# Allegro board WNS_FDM_2V1-1221P2.brd (continued)
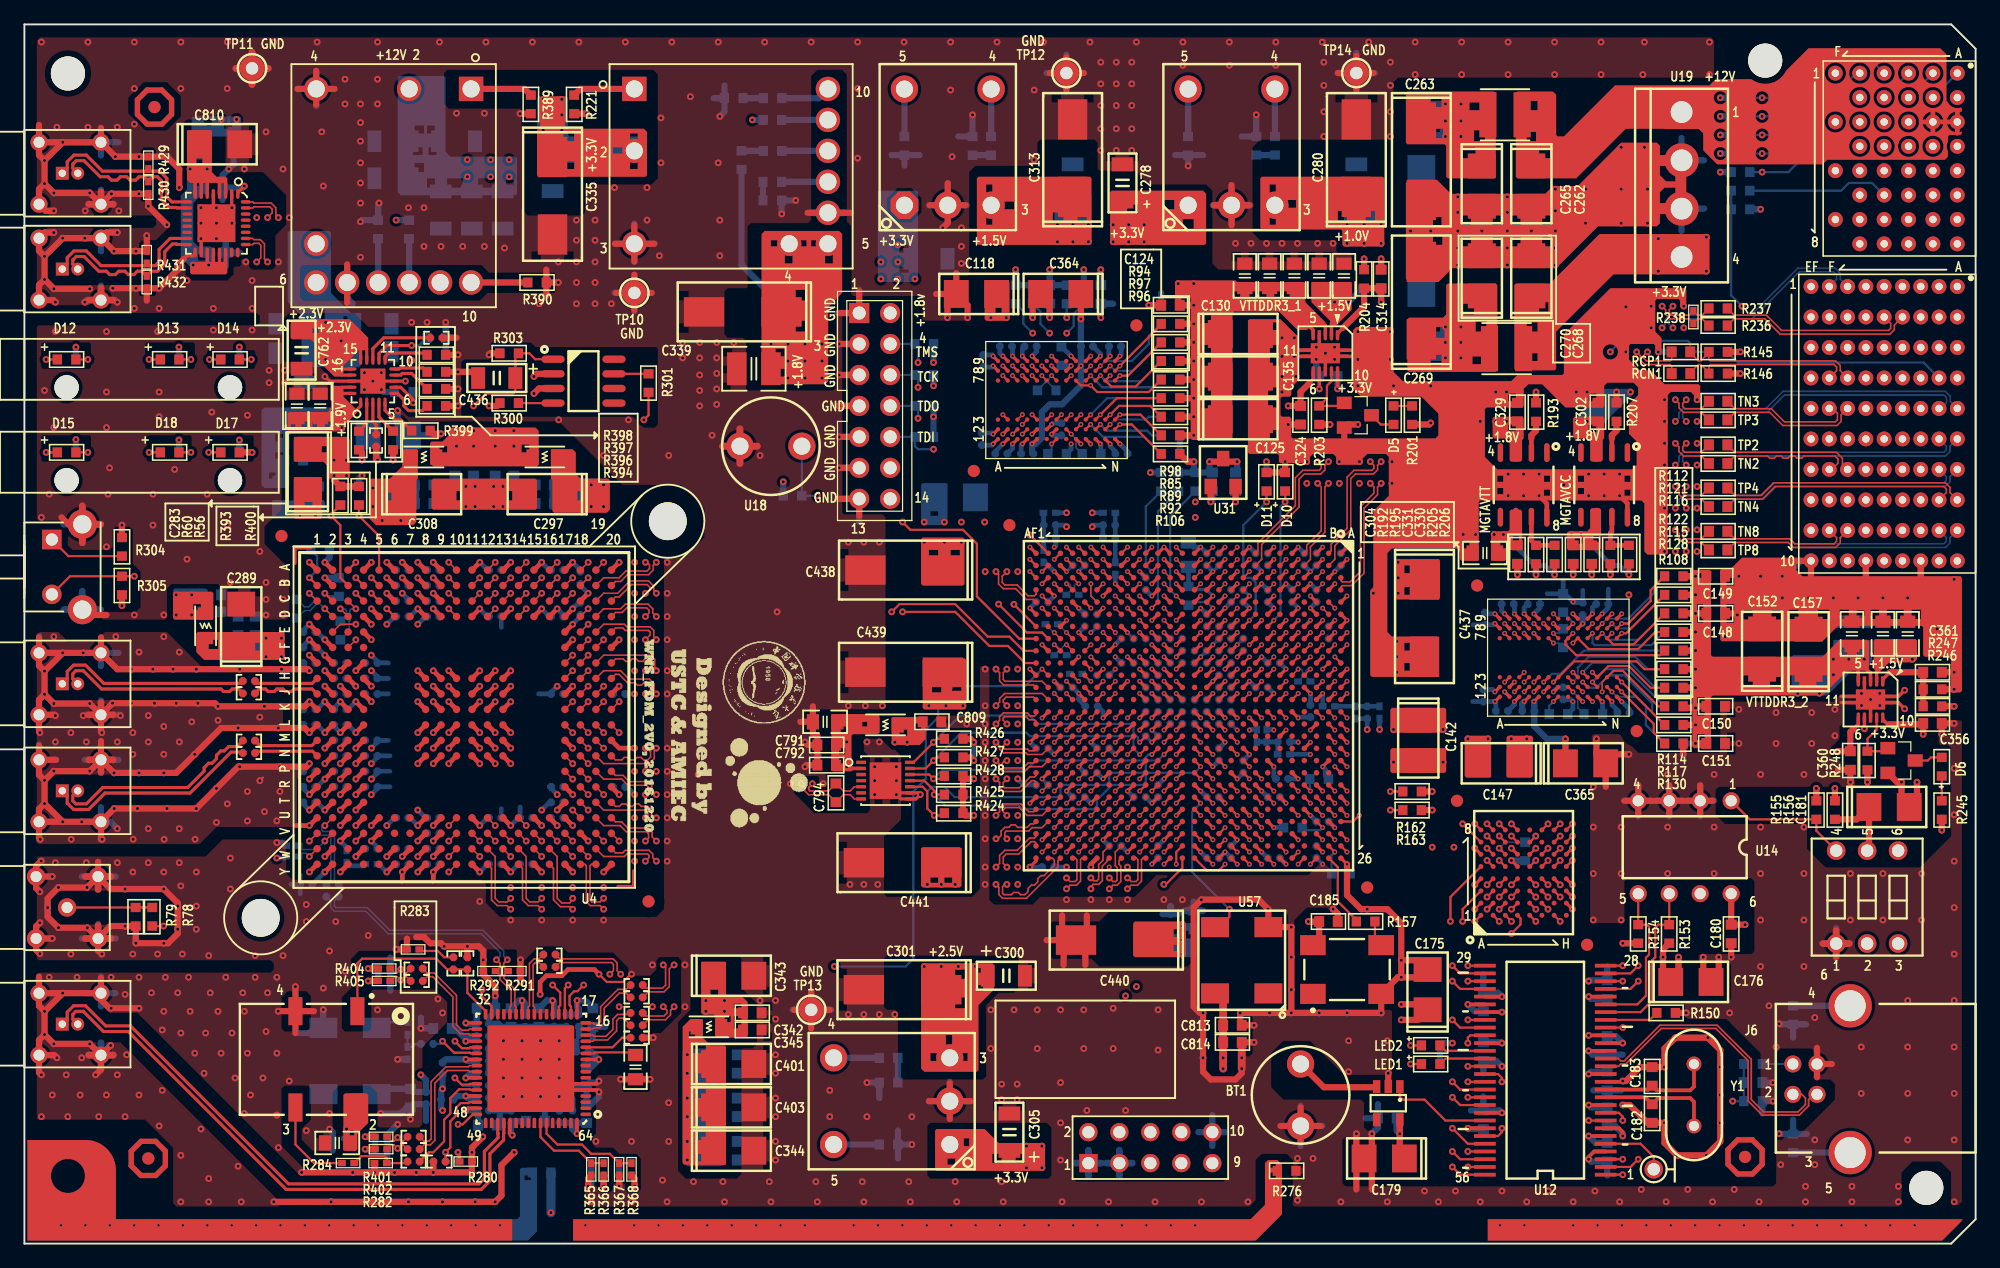
[diagram p0: board, top side]
## Footprints (pads in the part's own frame, mm; a bottom-side part is the same pattern mirrored in y, then rotated) (continued)
GND40
  round 2.032 hole 1.016: 1(0,0)
INDC2-200-M
  round 2.235 hole 1.397: 1(-2.54,0) 2(2.54,0)
JTAG_14A
  rect 1.651x1.651 hole 1.067: 1(-7.62,-1.27)
  round 1.651 hole 1.067: 2(-7.62,1.27) 3(-5.08,-1.27) 4(-5.08,1.27) 5(-2.54,-1.27) 6(-2.54,1.27) 7(0,-1.27) 8(0,1.27) 9(2.54,-1.27) 10(2.54,1.27) 11(5.08,-1.27) 12(5.08,1.27) 13(7.62,-1.27) 14(7.62,1.27)
MJ4-SR-1
  round 1.397 hole 0.914: 1(0,0) 2(-2.489,0) 3(-2.489,-1.981) 4(0,-1.981)
  round 3.556 hole 2.54: 5(-7.264,-4.699) 6(4.775,-4.699)
MT28GU
  round 0.4 smd: A1(-3.5,3.5) A2(-2.5,3.5) A3(-1.5,3.5) A4(-0.5,3.5) A5(0.5,3.5) A6(1.5,3.5) A7(2.5,3.5) A8(3.5,3.5) B1(-3.5,2.5) B2(-2.5,2.5) B3(-1.5,2.5) B4(-0.5,2.5) B5(0.5,2.5) B6(1.5,2.5) B7(2.5,2.5) B8(3.5,2.5) C1(-3.5,1.5) C2(-2.5,1.5) C3(-1.5,1.5) C4(-0.5,1.5) C5(0.5,1.5) C6(1.5,1.5) C7(2.5,1.5) C8(3.5,1.5) D1(-3.5,0.5) D2(-2.5,0.5) D3(-1.5,0.5) D4(-0.5,0.5) D5(0.5,0.5) D6(1.5,0.5) D7(2.5,0.5) D8(3.5,0.5) E1(-3.5,-0.5) E2(-2.5,-0.5) E3(-1.5,-0.5) E4(-0.5,-0.5) E5(0.5,-0.5) E6(1.5,-0.5) E7(2.5,-0.5) E8(3.5,-0.5) F1(-3.5,-1.5) F2(-2.5,-1.5) F3(-1.5,-1.5) F4(-0.5,-1.5) F5(0.5,-1.5) F6(1.5,-1.5) F7(2.5,-1.5) F8(3.5,-1.5) G1(-3.5,-2.5) G2(-2.5,-2.5) G3(-1.5,-2.5) G4(-0.5,-2.5) G5(0.5,-2.5) G6(1.5,-2.5) G7(2.5,-2.5) G8(3.5,-2.5) H1(-3.5,-3.5) H2(-2.5,-3.5) H3(-1.5,-3.5) H4(-0.5,-3.5) H5(0.5,-3.5) H6(1.5,-3.5) H7(2.5,-3.5) H8(3.5,-3.5)
OSC7050
  rect 1.65x2.1 smd: 1(-2,2.8) 2(-2,-2.8) 3(2,-2.8) 4(2,2.8)
OX_750_508
  rect 1.651x2.286 smd: 1(-2.718,-2.184) 2(2.718,-2.184) 3(2.718,2.184) 4(-2.718,2.184)
PXI_XP3
  round 1.219 hole 0.61: A1(11.25,-6) A2(8.75,-6) A3(6.25,-6) A4(3.75,-6) A5(1.25,-6) A6(-1.25,-6) A7(-3.75,-6) A8(-6.25,-6) A9(-8.75,-6) A10(-11.25,-6) AB1(11.25,-3) AB2(8.75,-3) AB3(6.25,-3) AB4(3.75,-3) AB5(1.25,-3) AB6(-1.25,-3) AB7(-3.75,-3) AB8(-6.25,-3) AB9(-8.75,-3) AB10(-11.25,-3) B1(11.25,-4.5) B2(8.75,-4.5) B3(6.25,-4.5) B4(3.75,-4.5) B5(1.25,-4.5) B6(-1.25,-4.5) B7(-3.75,-4.5) B8(-6.25,-4.5) B9(-8.75,-4.5) B10(-11.25,-4.5) C1(11.25,-1.5) C2(8.75,-1.5) C3(6.25,-1.5) C4(3.75,-1.5) C5(1.25,-1.5) C6(-1.25,-1.5) C7(-3.75,-1.5) C8(-6.25,-1.5) C9(-8.75,-1.5) C10(-11.25,-1.5) CD1(11.25,1.5) CD2(8.75,1.5) CD3(6.25,1.5) CD4(3.75,1.5) CD5(1.25,1.5) CD6(-1.25,1.5) CD7(-3.75,1.5) CD8(-6.25,1.5) CD9(-8.75,1.5) CD10(-11.25,1.5) D1(11.25,0) D2(8.75,0) D3(6.25,0) D4(3.75,0) D5(1.25,0) D6(-1.25,0) D7(-3.75,0) D8(-6.25,0) D9(-8.75,0) D10(-11.25,0) E1(11.25,3) E2(8.75,3) E3(6.25,3) E4(3.75,3) E5(1.25,3) E6(-1.25,3) E7(-3.75,3) E8(-6.25,3) E9(-8.75,3) E10(-11.25,3) EF1(11.25,6) EF2(8.75,6) EF3(6.25,6) EF4(3.75,6) EF5(1.25,6) EF6(-1.25,6) EF7(-3.75,6) EF8(-6.25,6) EF9(-8.75,6) EF10(-11.25,6) F1(11.25,4.5) F2(8.75,4.5) F3(6.25,4.5) F4(3.75,4.5) F5(1.25,4.5) F6(-1.25,4.5) F7(-3.75,4.5) F8(-6.25,4.5) F9(-8.75,4.5) F10(-11.25,4.5)
PXI_XP4
  round 1.219 hole 0.61: A1(7,-5) A2(5,-5) A3(3,-5) A4(1,-5) A5(-1,-5) A6(-3,-5) A7(-5,-5) A8(-7,-5) B1(7,-3) B2(5,-3) B3(3,-3) B4(1,-3) B5(-1,-3) B6(-3,-3) B7(-5,-3) B8(-7,-3) C1(7,-1) C2(5,-1) C3(3,-1) C4(1,-1) C5(-1,-1) C6(-3,-1) C7(-5,-1) C8(-7,-1) D1(7,1) D2(5,1) D3(3,1) D4(1,1) D5(-1,1) D6(-3,1) D7(-5,1) D8(-7,1) E1(7,3) E2(5,3) E3(3,3) E4(1,3) E5(-1,3) E6(-3,3) E7(-5,3) E8(-7,3) F1(7,5) F3(3,5) F5(-1,5) F7(-5,5)
R-PDSS-T5_EVD
  rrect 2.286x2.286 hole 1.397: 1(-4.763,3.556)
  round 2.235 hole 1.397: 2(-4.763,0) 3(-4.763,-3.556) 4(4.763,-3.556) 5(4.763,3.556)
R-PDSS-T10_CZ
  rect 2x2 hole 1.4: 1(0,0)
  round 2 hole 1.4: 2(0,-5.08) 3(0,-12.7) 4(12.7,-12.7) 5(15.875,-12.7) 6(15.875,-10.16) 7(15.875,-7.62) 8(15.875,-5.08) 9(15.875,-2.54) 10(15.875,0)
SC0402
  rrect 0.635x0.635 smd: 1(-0.5,0) 2(0.5,0)
SC0603
  rect 0.813x0.889 smd: 1(-0.762,0) 2(0.762,0)
SC0805
  rect 1x1.25 smd: 1(-1,0) 2(1,0)
SC1206
  rect 1.143x1.778 smd: 1(-1.524,0) 2(1.524,0)
SC1210
  rect 1.6x2.7 smd: 1(-1.4,0) 2(1.4,0)
SD0603
  rect 0.762x0.813 smd: 1(-0.762,0) 2(0.762,0)
SIP-4P-156
  rect 2.794x2.794 hole 1.778: 1(-5.944,0)
  round 2.794 hole 1.778: 2(-1.981,0) 3(1.981,0) 4(5.944,0)
SL0805
  rect 1x1.25 smd: 1(-1,0) 2(1,0)
SOIC-8-EDP
  oval 1.55x0.45 smd: 1(-2.65,1.905) 2(-2.65,0.635) 3(-2.65,-0.635) 4(-2.65,-1.905) 5(2.65,-1.905) 6(2.65,-0.635) 7(2.65,0.635) 8(2.65,1.905)
  rect 2.4x3.3 smd: 9(0,0)
SON-10
  custom 0.07x0.07 smd: 1(-1,-1.475) 2(-0.5,-1.475) 3(0,-1.475) 4(0.5,-1.475) 5(1,-1.475) 6(1,1.475) 7(0.5,1.475) 8(0,1.475) 9(-0.5,1.475) 10(-1,1.475)
  custom 0.412x0.412 smd: 11(0,0)
SOP56-25-300
  rect 0.305x1.778 smd: 1(-8.572,-4.953) 2(-7.938,-4.953) 3(-7.303,-4.953) 4(-6.668,-4.953) 5(-6.032,-4.953) 6(-5.397,-4.953) 7(-4.763,-4.953) 8(-4.128,-4.953) 9(-3.493,-4.953) 10(-2.857,-4.953) 11(-2.223,-4.953) 12(-1.587,-4.953) 13(-0.953,-4.953) 14(-0.318,-4.953) 15(0.318,-4.953) 16(0.953,-4.953) 17(1.587,-4.953) 18(2.223,-4.953) 19(2.857,-4.953) 20(3.493,-4.953) 21(4.128,-4.953) 22(4.763,-4.953) 23(5.397,-4.953) 24(6.032,-4.953) 25(6.668,-4.953) 26(7.303,-4.953) 27(7.938,-4.953) 28(8.572,-4.953) 29(8.572,4.953) 30(7.938,4.953) 31(7.303,4.953) 32(6.668,4.953) 33(6.032,4.953) 34(5.397,4.953) 35(4.763,4.953) 36(4.128,4.953) 37(3.493,4.953) 38(2.857,4.953) 39(2.223,4.953) 40(1.587,4.953) 41(0.953,4.953) 42(0.318,4.953) 43(-0.318,4.953) 44(-0.953,4.953) 45(-1.587,4.953) 46(-2.223,4.953) 47(-2.857,4.953) 48(-3.493,4.953) 49(-4.128,4.953) 50(-4.763,4.953) 51(-5.397,4.953) 52(-6.032,4.953) 53(-6.668,4.953) 54(-7.303,4.953) 55(-7.938,4.953) 56(-8.572,4.953)
SOT23
  rect 1.016x1.27 smd: 1(-1.016,-1.143) 2(1.016,-1.143) 3(0,1.143)
SOT-23
  rect 1.016x1.219 smd: 1(-1.016,-1.118) 2(1.016,-1.118) 3(0,1.118)
SR0402
  rect 0.635x0.508 smd: 1(-0.508,0) 2(0.508,0)
SR0603
  rect 0.762x0.813 smd: 1(-0.762,0) 2(0.762,0)
STC3528
  rect 2.032x2.286 smd: 1(-1.651,0) 2(1.651,0)
STC7343
  rect 3.302x2.413 smd: 1(-3.175,0) 2(3.175,0)
SWITCH-3P-DIP
  round 1.524 hole 1.016: 1(2.007,0.991) 2(4.547,0.991) 3(7.087,0.991) 4(7.087,8.611) 5(4.547,8.611) 6(2.007,8.611)
TP_40MIL
  round 1.524 hole 1.016: 1(0,0)
TPS7A85
  oval 0.813x0.254 smd: 1(-1.75,1) 2(-1.75,0.5) 3(-1.75,0) 4(-1.75,-0.5) 5(-1.75,-1) 11(1.75,-1) 12(1.75,-0.5) 13(1.75,0) 14(1.75,0.5) 15(1.75,1)
  oval 0.254x0.813 smd: 6(-1,-1.75) 7(-0.5,-1.75) 8(0,-1.75) 9(0.5,-1.75) 10(1,-1.75) 16(1,1.75) 17(0.5,1.75) 18(0,1.75) 19(-0.5,1.75) 20(-1,1.75)
  rect 2.057x2.057 smd: 21(0,0)
TPS3820-33-SOT23
  rect 0.61x1.067 smd: 1(0.498,-0.559) 2(1.448,-0.559) 3(2.398,-0.559) 4(2.398,2.159) 5(0.498,2.159)
unnamed
  round 2.794 hole 2.794 unplated: (0,0)
unnamed#3
  round 1 smd: 1(0,0)
unnamed#4
  round 1.999 hole 1.999 unplated: (2.29,0) (2.29,-13.4)
unnamed#5
  round 3.1 hole 3.1 unplated: (-16.07,16.69) (16.46,-16.69)
WQFN-64
  custom 0.075x0.075 smd: 1(-4.45,3.75) 2(-4.45,3.25) 3(-4.45,2.75) 4(-4.45,2.25) 5(-4.45,1.75) 6(-4.45,1.25) 7(-4.45,0.75) 8(-4.45,0.25) 9(-4.45,-0.25) 10(-4.45,-0.75) 11(-4.45,-1.25) 12(-4.45,-1.75) 13(-4.45,-2.25) 14(-4.45,-2.75) 15(-4.45,-3.25) 16(-4.45,-3.75) 17(-3.75,-4.45) 18(-3.25,-4.45) 19(-2.75,-4.45) 20(-2.25,-4.45) 21(-1.75,-4.45) 22(-1.25,-4.45) 23(-0.75,-4.45) 24(-0.25,-4.45) 25(0.25,-4.45) 26(0.75,-4.45) 27(1.25,-4.45) 28(1.75,-4.45) 29(2.25,-4.45) 30(2.75,-4.45) 31(3.25,-4.45) 32(3.75,-4.45) 33(4.45,-3.75) 34(4.45,-3.25) 35(4.45,-2.75) 36(4.45,-2.25) 37(4.45,-1.75) 38(4.45,-1.25) 39(4.45,-0.75) 40(4.45,-0.25) 41(4.45,0.25) 42(4.45,0.75) 43(4.45,1.25) 44(4.45,1.75) 45(4.45,2.25) 46(4.45,2.75) 47(4.45,3.25) 48(4.45,3.75) 49(3.75,4.45) 50(3.25,4.45) 51(2.75,4.45) 52(2.25,4.45) 53(1.75,4.45) 54(1.25,4.45) 55(0.75,4.45) 56(0.25,4.45) 57(-0.25,4.45) 58(-0.75,4.45) 59(-1.25,4.45) 60(-1.75,4.45) 61(-2.25,4.45) 62(-2.75,4.45) 63(-3.25,4.45) 64(-3.75,4.45)
  rect 7x7 smd: 65(0,0)
WSON
  rect 0.28x0.8 smd: 1(-1.5,-2) 2(-1,-2) 3(-0.5,-2) 4(0,-2) 5(0.5,-2) 6(1,-2) 7(1.5,-2) 8(1.5,2) 9(1,2) 10(0.5,2) 11(0,2) 12(-0.5,2) 13(-1,2) 14(-1.5,2)
  rect 3x2.6 smd: 15(0,0)
XAL4020
  rect 1.4x3.7 smd: 1(-1.4,0) 2(1.4,0)
XTAL2-200A
  round 1.219 hole 0.813: 1(-2.54,0) 2(2.54,0)

## Nets
+1.0V: C184.2 C186.2 C187.2 C188.2 C189.2 C190.2 C191.2 C192.2 C193.2 C194.2 C195.2 C196.2 C197.2 C198.2 C199.2 C200.2 C201.2 C202.2 C203.2 C279.1 C280.1 C437.1 U15.J9(VCCINT_1) U15.K8(VCCINT_2) U15.K10(VCCINT_3) U15.K12(VCCINT_4) U15.K14(VCCINT_5) U15.L9(VCCINT_6) U15.L13(VCCINT_7) U15.L15(VCCINT_8) U15.M8(VCCINT_9) U15.M14(VCCINT_10) U15.N9(VCCINT_11) U15.N13(VCCBRAM_1) U15.N15(VCCINT_12) U15.P14(VCCINT_13) U15.R13(VCCBRAM_2) U15.R15(VCCINT_14) U15.T12(VCCBRAM_3) U15.T14(VCCINT_15) U15.U13(VCCBRAM_4) U15.U15(VCCINT_16) U24.3(VO)
+1.5V: C111.2 C112.2 C113.2 C114.2 C115.1 C116.2 C117.2 C118.1 C119.2 C120.2 C138.2 C139.2 C140.2 C141.2 C142.1 C143.2 C144.2 C145.2 C146.2 C147.1 C312.1 C313.1 C316.1 C317.1 C362.1 C363.1 C374.2 C377.2 C379.2 C380.2 C381.2 C384.2 C385.2 C391.2 C438.1 R202.1 R246.1 R408.1 R411.1 R414.1 R417.1 U10.A2(VDD1) U10.A9(VDD2) U10.B9(VDDQ1) U10.C1(VDDQ2) U10.D7(VDD9) U10.E2(VDDQ3) U10.E9(VDDQ4) U10.G2(VDD3) U10.G8(VDD4) U10.K1(VDD5) U10.K9(VDD6) U10.M1(VDD7) U10.M9(VDD8) U11.A2(VDD1) U11.A9(VDD2) U11.B9(VDDQ1) U11.C1(VDDQ2) U11.D7(VDD9) U11.E2(VDDQ3) U11.E9(VDDQ4) U11.G2(VDD3) U11.G8(VDD4) U11.K1(VDD5) U11.K9(VDD6) U11.M1(VDD7) U11.M9(VDD8) U15.A11(VCCO_16_1) U15.AA1(VCCO_34_1) U15.AC5(VCCO_34_2) U15.AD2(VCCO_34_3) U15.AF6(VCCO_34_4) U15.B8(VCCO_16_2) U15.C15(VCCO_16_3) U15.D12(VCCO_16_4) U15.E9(VCCO_16_5) U15.G13(VCCO_16_6) U15.H10(VCCO_16_7) U15.U3(VCCO_34_5) U15.Y4(VCCO_34_6) U28.3(VO) U29.2(VLDOIN) U33.2(VLDOIN)
+1.8V: C185.2 C205.2 C206.2 C207.2 C208.2 C209.2 C210.2 C211.2 C212.2 C213.2 C214.2 C215.2 C216.2 C217.2 C218.2 C219.2 C220.2 C221.2 C222.2 C223.2 C224.2 C225.2 C302.1 C329.1 C339.1 C340.1 C366.2 C367.2 C368.2 C369.2 C370.2 C371.2 C439.1 J7.2 R160.2 R161.1 R162.1 R163.2 R164.1 R165.1 R166.1 R167.1 R168.1 R169.1 R170.1 R172.1 R173.2 R193.2 R207.2 R210.2 R229.1 R230.1 R231.1 R232.1 R233.1 U15.A21(VCCO_14_1) U15.AA11(VCCO_33_1) U15.AB8(VCCO_33_2) U15.AB18(VCCO_32_1) U15.AC15(VCCO_32_2) U15.AD12(VCCO_33_3) U15.AE9(VCCO_33_4) U15.AE19(VCCO_32_3) U15.AF16(VCCO_32_4) U15.B18(VCCO_15_1) U15.C25(VCCO_14_2) U15.D22(VCCO_14_3) U15.E19(VCCO_15_2) U15.F16(VCCO_15_3) U15.F26(VCCO_14_4) U15.G23(VCCO_14_5) U15.H20(VCCO_15_4) U15.J17(VCCO_15_5) U15.L7(VCCO_0_1) U15.L11(VCCAUX_3) U15.L21(VCCO_14_6) U15.M10(VCCAUX_4) U15.M12(VCCADC_0) U15.M18(VCCO_15_6) U15.P8(VCCAUX_IO_G0_3) U15.P10(VCCAUX_5) U15.R9(VCCAUX_IO_G0_2) U15.T6(VCCO_0_2) U15.T8(VCCAUX_IO_G0_1) U15.T10(VCCAUX_1) U15.U11(VCCAUX_2) U15.V10(VCCO_33_5) U15.W7(VCCO_33_6) U15.W17(VCCO_32_5) U15.Y14(VCCO_32_6) U16.4(VS) U17.A4(VPP1) U17.A6(VCC1) U17.D5(VCCQ1) U17.D6(VCCQ2) U17.G4(VCCQ3) U17.H3(VCC2) U26.3(VIN) U30.3(VIN) U32.4(VO) U32.5(+SENSE)
+1.9V: C284.1 C285.1 C286.1 C290.1 C294.1 C298.1 C299.1 C309.1 C310.1 C758.1 C759.1 C760.1 C761.1 L14.2 L15.2 L16.2 L17.2 R393.1 R400.1 U59.1(OUT#1) U59.19(OUT#19) U59.20(OUT#20)
+1.9VA: C22.1 C23.1 C24.1 C25.1 C26.1 C27.1 C28.1 C29.1 C30.1 C38.1 C39.1 C40.1 C41.1 C42.1 C43.1 C45.1 C46.1 C281.1 C282.1 C283.1 L14.1 R53.2 R54.2 R57.2 R59.2 R61.2 U4.A2(VA1) U4.A6(VA2) U4.B6(VA3) U4.C6(VA4) U4.D8(VA5) U4.D9(VA6) U4.E1(VA7) U4.F1(VA8) U4.H4(VA9) U4.N4(VA10) U4.R1(VA11) U4.T1(VA12) U4.U8(VA13) U4.U9(VA14) U4.W4(DDRPH) U4.W6(VA15) U4.Y2(VA16) U4.Y6(VA17)
+1.9VDR: C47.1 C48.1 C49.1 C50.1 C51.1 C52.1 C53.1 C59.1 C61.1 C62.1 C63.1 C64.1 C65.1 C66.1 C67.1 C68.1 C295.1 C296.1 C297.1 L16.1 U4.A11(VDR1) U4.A15(VDR2) U4.C18(VDR3) U4.D11(VDR4) U4.D15(VDR5) U4.D17(VDR6) U4.J17(VDR7) U4.J20(VDR8) U4.R17(VDR9) U4.R20(VDR10) U4.T17(VDR11) U4.U11(VDR12) U4.U15(VDR13) U4.U16(VDR14) U4.Y11(VDR15) U4.Y15(VDR16)
+1.9VE: C69.1 C70.1 C71.1 C72.1 C73.1 C74.1 C306.1 C307.1 C308.1 L17.1 U4.A8(VE1) U4.B9(VE2) U4.C8(VE3) U4.V8(VE4) U4.W9(VE5) U4.Y8(VE6)
+1.9VTC: C31.1 C32.1 C33.1 C34.1 C35.1 C36.1 C37.1 C44.1 C54.1 C55.1 C56.1 C57.1 C58.1 C60.1 C287.1 C288.1 C289.1 L15.1 U4.G1(VTC1) U4.G3(VTC2) U4.G4(VTC3) U4.H2(VTC4) U4.J3(VTC5) U4.K3(VTC6) U4.L3(VTC7) U4.M3(VTC8) U4.N2(VTC9) U4.P1(VTC10) U4.P3(VTC11) U4.P4(VTC12) U4.R3(VTC13) U4.R4(VTC14)
+2.3V: C757.1 C762.1 C779.1 C780.1 C781.1 R391.2 U58.4(VO) U58.5(+SENSE) U59.14(EN) U59.15(IN#15) U59.16(IN#16) U59.17(IN#17)
+2.5V: C248.2 C249.2 C250.2 C251.2 C300.1 C301.1 C441.1 U15.AA21(VCCO_12_1) U15.AC25(VCCO_12_2) U15.AD22(VCCO_12_3) U15.AF26(VCCO_12_4) U15.U23(VCCO_12_5) U15.V20(VCCO_12_6) U15.Y24(VCCO_12_7) U27.3(VO)
+3.3V: C167.1 C168.1 C169.1 C170.1 C171.1 C172.1 C173.1 C174.1 C175.1 C176.1 C178.1 C179.1 C180.2 C227.2 C233.2 C239.2 C245.2 C246.2 C269.1 C270.1 C271.1 C278.1 C305.1 C311.1 C315.1 C320.1 C335.1 C336.1 C342.1 C343.1 C345.1 C356.1 C434.1 C435.1 C440.1 C806.1 C809.1 C813.2 C814.2 L12.2 L18.2 L20.1 L21.2 R148.2 R151.2 R153.2 R154.2 R155.2 R156.2 R201.1 R203.1 R218.2 R245.1 R248.1 R300.1 R305.1 R306.1 R307.1 R435.1 R436.1 R438.1 R439.1 U12.6(VCC1) U12.10(AVCC1) U12.14(AVCC2) U12.18(VCC2) U12.24(VCC3) U12.34(VCC4) U12.39(VCC5) U12.50(VCC6) U13.5(VDD) U14.8(VCC) U15.K24(VCCO_13_1) U15.N25(VCCO_13_2) U15.P22(VCCO_13_3) U15.R19(VCCO_13_4) U15.T16(VCCO_13_5) U15.T26(VCCO_13_6) U24.1(VI) U27.1(VI) U28.1(VI) U29.7(EN) U29.10(VIN) U31.1(IN) U32.2(VI) U33.7(EN) U33.10(VIN) U36.2(VCC) U57.4(VDD)
+3.3V_BUF: C810.1 C811.1 C812.1 L21.1 U62.3(VDD8) U62.4(VDD7) U62.6(VDD6) U62.7(VDD5) U62.8(EN) U62.19(VDD1) U62.20(VDD2) U62.21(VDD3) U62.22(VDD4)
+3.3V_IN: C268.1 L12.1 U19.4(3.3V) XJ4.C4(3.3V1) XJ4.D4(3.3V2) XJ4.E4(3.3V3)
+3.3V_T: C791.1 C792.1 C793.1 L20.2 R424.1 R425.1 R426.1 R427.1 R428.1 U60.2(VDD)
+3.3VPLL: C75.1 C76.1 C78.1 C79.1 C80.1 C81.1 C82.1 C92.2 C93.2 C94.2 C95.2 C96.2 C97.2 C98.2 C99.2 C100.2 C101.2 C344.1 C346.1 C347.1 C401.1 C403.1 C406.2 C407.2 C409.2 C414.2 C418.2 C420.2 C422.2 C423.2 C424.2 C425.2 C426.1 C427.2 C430.2 C431.2 C447.1 C448.1 C449.1 C450.1 L18.1 R366.1 R368.1 U6.4(VDD) U34.10(VCC1_VCO) U34.17(VCC2_CG1) U34.21(VCC3_SYSREF) U34.26(VCC4_CG2) U34.33(VCC5_DIG) U34.36(VCC6_PLL1) U34.39(VCC7_OSCOUT) U34.42(VCC8_OSCIN) U34.45(VCC9_CP2) U34.47(VCC10_PLL2) U34.53(VCC11_CG3) U34.64(VCC12_CG0) U35.4(VDD)
+12V: C263.1 C264.1 C265.1 C756.1 C782.1 C783.1 C784.1 C785.1 C786.1 L10.2 U58.2(VI) U58.9(TRACK)
+12V_IN: C262.1 L10.1 U19.1(12V) XJ4.A3(12V1) XJ4.B3(12V2)
GND: BT1.2 C18.2 C19.2 C20.2 C21.2 C22.2 C23.2 C24.2 C25.2 C26.2 C27.2 C28.2 C29.2 C30.2 C31.2 C32.2 C33.2 C34.2 C35.2 C36.2 C37.2 C38.2 C39.2 C40.2 C41.2 C42.2 C43.2 C44.2 C45.2 C46.2 C47.2 C48.2 C49.2 C50.2 C51.2 C52.2 C53.2 C54.2 C55.2 C56.2 C57.2 C58.2 C59.2 C60.2 C61.2 C62.2 C63.2 C64.2 C65.2 C66.2 C67.2 C68.2 C69.2 C70.2 C71.2 C72.2 C73.2 C74.2 C75.2 C76.2 C78.2 C79.2 C80.2 C81.2 C82.2 C92.1 C93.1 C94.1 C95.1 C96.1 C97.1 C98.1 C99.1 C100.1 C101.1 C111.1 C112.1 C113.1 C114.1 C115.2 C116.1 C117.1 C118.2 C119.1 C120.1 C121.1 C122.1 C123.1 C124.1 C125.2 C130.2 C135.2 C136.1 C137.1 C138.1 C139.1 C140.1 C141.1 C142.2 C143.1 C144.1 C145.1 C146.1 C147.2 C148.1 C149.1 C150.1 C151.1 C152.2 C157.2 C162.2 C163.1 C164.1 C167.2 C168.2 C169.2 C170.2 C171.2 C172.2 C173.2 C174.2 C175.2 C176.2 C177.1 C178.2 C179.2 C180.1 C181.2 C182.1 C183.1 C184.1 C185.1 C186.1 C187.1 C188.1 C189.1 C190.1 C191.1 C192.1 C193.1 C194.1 C195.1 C196.1 C197.1 C198.1 C199.1 C200.1 C201.1 C202.1 C203.1 C205.1 C206.1 C207.1 C208.1 C209.1 C210.1 C211.1 C212.1 C213.1 C214.1 C215.1 C216.1 C217.1 C218.1 C219.1 C220.1 C221.1 C222.1 C223.1 C224.1 C225.1 C227.1 C233.1 C239.1 C245.1 C246.1 C248.1 C249.1 C250.1 C251.1 C262.2 C263.2 C264.2 C265.2 C268.2 C269.2 C270.2 C271.2 C278.2 C279.2 C280.2 C281.2 C282.2 C283.2 C284.2 C285.2 C286.2 C287.2 C288.2 C289.2 C290.2 C294.2 C295.2 C296.2 C297.2 C298.2 C299.2 C300.2 C301.2 C302.2 C303.2 C304.2 C305.2 C306.2 C307.2 C308.2 C309.2 C310.2 C311.2 C312.2 C313.2 C314.2 C315.2 C316.2 C317.2 C318.2 C319.2 C320.2 C321.2 C322.2 C323.2 C324.2 C325.2 C326.2 C327.2 C328.2 C329.2 C330.2 C331.2 C332.2 C333.2 C335.2 C336.2 C339.2 C340.2 C341.1 C342.2 C343.2 C344.2 C345.2 C346.2 C347.2 C356.2 C357.2 C358.2 C359.2 C360.2 C361.2 C362.2 C363.2 C364.2 C365.2 C366.1 C367.1 C368.1 C369.1 C370.1 C371.1 C374.1 C377.1 C379.1 C380.1 C381.1 C384.1 C385.1 C391.1 C392.2 C393.2 C394.2 C395.2 C396.2 C397.2 C401.2 C403.2 C406.1 C407.1 C409.1 C410.1 C411.1 C414.1 C415.2 C416.1 C417.2 C418.1 C420.1 C421.1 C422.1 C423.1 C424.1 C425.1 C426.2 C427.1 C430.1 C431.1 C434.2 C435.2 C436.2 C437.2 C438.2 C439.2 C440.2 C441.2 C447.2 C448.2 C449.2 C450.2 C756.2 C757.2 C759.2 C760.2 C761.2 C762.2 C763.2 C764.2 C767.2 C774.1 C775.1 C776.1 C777.1 C779.2 C780.2 C781.2 C782.2 C783.2 C784.2 C785.2 C786.2 C791.2 C792.2 C793.2 C806.2 C809.2 C810.2 C811.2 C812.2 C813.1 C814.1 D10.2(CATHODE) D11.2(CATHODE) D17.2(CATHODE) J4.2(GND1) J4.3(GND2) J4.4(GND3) J4.5(GND4) J6.4(GND) J7.1 J7.3 J7.5 J7.7 J7.9 J7.11 J7.13 J8.3 J8.4 J8.5 J8.6 J9.3 J9.4 J9.5 J9.6 J11.3 J11.4 J11.5 J11.6 J14.1 J14.3 J14.10 J15.3 J15.4 J15.5 J15.6 J16.3 J16.4 J16.5 J16.6 Q1.2(SOURCE) Q2.2(SOURCE) R52.2 R56.2 R58.2 R60.2 R79.2 R100.1 R101.1 R102.1 R106.1 R124.1 R125.1 R126.1 R130.1 R133.2 R145.1 R146.1 R147.1 R150.1 R152.2 R159.1 R171.1 R174.1 R186.2 R188.2 R192.2 R194.2 R197.2 R198.2 R200.2 R204.2 R205.2 R221.1 R222.2 R224.2 R247.2 R276.2 R278.2 R280.2 R281.2 R282.2 R283.1 R291.2 R292.1 R299.2 R303.2 R304.1 R365.1 R367.1 R388.2 R389.1 R390.2 R392.2 R394.2 R395.2 R396.2 R397.2 R398.2 R399.2 R403.2 R406.2 R407.2 R409.2 R413.2 R416.2 R419.2 R429.1 R430.2 R431.1 R432.2 SW1.1(A1) TP10.1(TP) TP11.1(TP) TP12.1(TP) TP13.1(TP) TP14.1(TP) U4.A1(GND1) U4.A4(TPM) U4.A7(GND2) U4.A9(GNDE1) U4.A13(GNDDR1) U4.A17(GNDDR2) U4.A20(GNDDR3) U4.B2(GND3) U4.B7(GND4) U4.B8(GNDE2) U4.C9(GNDE3) U4.D4(GND5) U4.D5(GND6) U4.D13(GNDDR4) U4.D16(GNDDR5) U4.E4(GND7) U4.E17(GNDDR6) U4.F2(GNDTC1) U4.F17(GNDDR7) U4.F20(GNDDR8) U4.G2(GNDTC2) U4.H3(GNDTC3) U4.H8(GND17) U4.H9(GND18) U4.H10(GND19) U4.H11(GND20) U4.H12(GND21) U4.H13(GND22) U4.J2(GNDTC4) U4.J8(GND23) U4.J9(GND24) U4.J10(GND25) U4.J11(GND26) U4.J12(GND27) U4.J13(GND28) U4.K1(GND8) U4.K4(GNDTC5) U4.K8(GND29) U4.K9(GND30) U4.K10(GND31) U4.K11(GND32) U4.K12(GND33) U4.K13(GND34) U4.L1(GND9) U4.L4(GNDTC6) U4.L8(GND35) U4.L9(GND36) U4.L10(GND37) U4.L11(GND38) U4.L12(GND39) U4.L13(GND40) U4.M2(GNDTC7) U4.M8(GND41) U4.M9(GND42) U4.M10(GND43) U4.M11(GND44) U4.M12(GND45) U4.M13(GND46) U4.M17(GNDDR9) U4.M20(GNDDR10) U4.N3(GNDTC8) U4.N8(GND47) U4.N9(GND48) U4.N10(GND49) U4.N11(GND50) U4.N12(GND51) U4.N13(GND52) U4.P2(GNDTC9) U4.R2(GNDTC10) U4.T2(GNDTC11) U4.T3(GNDTC12) U4.T4(GND10) U4.U1(GNDTC13) U4.U3(PDI) U4.U4(GND11) U4.U5(GND12) U4.U13(GNDDR11) U4.U17(GNDDR12) U4.V3(PDQ) U4.V5(DES) U4.V9(GNDE4) U4.V18(GNDDR13) U4.W2(GND13) U4.W7(GND14) U4.W8(GNDE5) U4.Y1(GND15) U4.Y7(GND16) U4.Y9(GNDE6) U4.Y13(GNDDR14) U4.Y17(GNDDR15) U4.Y20(GNDDR16) U6.2(GND) U10.A1(VSS1) U10.A8(VSS2) U10.B1(VSS3) U10.B2(VSSQ1) U10.B8(VSSQ2) U10.C9(VSSQ3) U10.D1(VSSQ4) U10.D8(VSS4) U10.D9(VSSQ5) U10.F2(VSS5) U10.F8(VSS6) U10.J1(VSS7) U10.J9(VSS8) U10.L1(VSS9) U10.L9(VSS10) U10.N1(VSS11) U10.N9(VSS12) U11.A1(VSS1) U11.A8(VSS2) U11.B1(VSS3) U11.B2(VSSQ1) U11.B8(VSSQ2) U11.C9(VSSQ3) U11.D1(VSSQ4) U11.D8(VSS4) U11.D9(VSSQ5) U11.F2(VSS5) U11.F8(VSS6) U11.J1(VSS7) U11.J9(VSS8) U11.L1(VSS9) U11.L9(VSS10) U11.N1(VSS11) U11.N9(VSS12) U12.4(GND1) U12.7(GND2) U12.13(AGND1) U12.17(AGND2) U12.19(GND3) U12.33(GND4) U12.35(GND5) U12.48(GND6) U13.2(GND) U14.2(A1) U14.3(A2) U14.4(VSS) U15.A1(GND_1) U15.A2(GND_2) U15.A5(GND_3) U15.A6(GND_4) U15.A7(GND_5) U15.A16(GND_6) U15.A26(GND_7) U15.AA6(GND_8) U15.AA16(GND_9) U15.AA26(GND_10) U15.AB3(GND_11) U15.AB13(GND_12) U15.AB23(GND_13) U15.AC10(GND_14) U15.AC20(GND_15) U15.AD7(GND_16) U15.AD17(GND_17) U15.AE4(GND_18) U15.AE14(GND_19) U15.AE24(GND_20) U15.AF1(GND_21) U15.AF11(GND_22) U15.AF21(GND_23) U15.B4(GND_24) U15.B7(GND_25) U15.B13(GND_26) U15.B23(GND_27) U15.C1(GND_28) U15.C5(GND_29) U15.C7(GND_30) U15.C10(GND_31) U15.C20(GND_32) U15.D4(GND_33) U15.D7(GND_34) U15.D17(GND_35) U15.E1(GND_36) U15.E2(GND_37) U15.E5(GND_38) U15.E7(GND_39) U15.E8(VCCBATT_0) U15.E14(GND_40) U15.E24(GND_41) U15.F3(GND_42) U15.F4(GND_43) U15.F7(GND_44) U15.F11(GND_45) U15.F21(GND_46) U15.G1(GND_47) U15.G5(GND_48) U15.G8(GND_49) U15.G18(GND_50) U15.H4(GND_51) U15.H7(GND_52) U15.H15(GND_53) U15.H25(GND_54) U15.J1(GND_55) U15.J2(GND_56) U15.J5(GND_57) U15.J12(GND_58) U15.J22(GND_59) U15.K3(GND_60) U15.K4(GND_61) U15.K7(GND_62) U15.K9(GND_63) U15.K11(GND_64) U15.K13(GND_65) U15.K19(GND_66) U15.L1(GND_67) U15.L5(GND_68) U15.L10(GND_69) U15.L12(GND_70) U15.L14(GND_71) U15.L16(GND_72) U15.L26(GND_73) U15.M4(GND_74) U15.M7(GND_75) U15.M9(GND_76) U15.M11(GNDADC_0) U15.M13(GND_77) U15.M15(GND_78) U15.M23(GND_79) U15.N1(GND_80) U15.N2(GND_81) U15.N5(GND_82) U15.N7(GND_83) U15.N10(GND_84) U15.N11(VREFN_0) U15.N14(GND_85) U15.N20(GND_86) U15.P3(GND_87) U15.P4(GND_88) U15.P7(CFGBVS_0) U15.P9(GND_89) U15.P12(VREFP_0) U15.P13(GND_90) U15.P15(GND_91) U15.P17(GND_92) U15.R1(GND_93) U15.R2(GND_94) U15.R5(GND_95) U15.R8(GND_96) U15.R10(GND_97) U15.R11(DXN_0) U15.R12(DXP_0) U15.R14(GND_98) U15.R24(GND_99) U15.T1(GND_100) U15.T3(GND_101) U15.T4(GND_102) U15.T9(GND_103) U15.T11(GND_104) U15.T13(GND_105) U15.T15(GND_106) U15.T21(GND_107) U15.U8(GND_108) U15.U10(GND_109) U15.U12(GND_110) U15.U14(GND_111) U15.U18(GND_112) U15.V5(GND_113) U15.V15(GND_114) U15.V25(GND_115) U15.W2(GND_116) U15.W12(GND_117) U15.W22(GND_118) U15.Y9(GND_119) U15.Y19(GND_120) U16.2(GND) U17.B2(VSS1) U17.H2(VSSQ1) U17.H4(VSS2) U17.H6(VSSQ2) U18.1 U19.2(GND#2) U19.3(GND#3) U24.2(GND) U26.8(GND) U26.9(EP) U27.2(GND) U28.2(GND) U29.4(PGND) U29.8(GND) U29.11(PWRPAD) U30.8(GND) U30.9(EP) U31.3(GND) U32.3(GND) U32.6(-SENSE) U33.4(PGND) U33.8(GND) U33.11(PWRPAD) U34.5(RESET/GPO) U34.6(SYNC/SYSREF_REQ) U34.65(DAP) U35.2(GND) U36.3(GND) U57.2(GND) U58.3(GND) U58.6(-SENSE) U59.8(GND#8) U59.18(GND#18) U59.21(THERMALPAD) U60.8(GND) U60.9(A0) U60.15(EPAD) U62.1(GND1) U62.2(GND2) U62.5(GND3) U62.17(GND4) U62.18(GND5) U62.33(EPAD) U63.3(GND1) U63.4(GND2) XJ3.AB1(GND1) XJ3.AB2(GND2) XJ3.AB3(GND3) XJ3.AB4(GND4) XJ3.AB5(GND5) XJ3.AB6(GND6) XJ3.AB7(GND7) XJ3.AB8(GND8) XJ3.AB9(GND9) XJ3.AB10(GND10) XJ3.CD1(GND11) XJ3.CD2(GND12) XJ3.CD3(GND13) XJ3.CD4(GND14) XJ3.CD5(GND15) XJ3.CD6(GND16) XJ3.CD7(GND17) XJ3.CD8(GND18) XJ3.CD9(GND19) XJ3.CD10(GND20) XJ3.EF1(GND21) XJ3.EF2(GND22) XJ3.EF3(GND23) XJ3.EF4(GND24) XJ3.EF5(GND25) XJ3.EF6(GND26) XJ3.EF7(GND27) XJ3.EF8(GND28) XJ3.EF9(GND29) XJ3.EF10(GND30) XJ4.A4(GND1) XJ4.B2(GND2) XJ4.B4(GND3) XJ4.B6(GND4) XJ4.B8(GND5) XJ4.C3(GND6) XJ4.D3(GND7) XJ4.D5(GND8) XJ4.D7(GND9) XJ4.E3(GND10) XJ4.F1(GND11) XJ4.F3(GND12) XJ4.F5(GND13) XJ4.F7(GND14)
VINI+: C770.2 U4.H1(VINI+)
VINI-: C771.2 U4.J1(VINI-)
VINQ+: C772.2 U4.N1(VINQ+)
VINQ-: C773.2 U4.M1(VINQ-)
/RST_FPGA: R301.2 U15.T19(IO_L19N_T3_VREF_13)
/SCS: U4.C4(/SCS) U15.AA10(IO_L14P_T2_SRCC_33)
A00: U15.J23(IO_L24N_T3_A00_D16_14) U17.A1(A0)
A0: R155.1 SW1.6(B1) U14.1(A0)
A01: U15.K23(IO_L24P_T3_A01_D17_14) U17.B1(A1)
A02: U15.K22(IO_L23N_T3_A02_D18_14) U17.C1(A2)
A03: U15.L22(IO_L23P_T3_A03_D19_14) U17.D1(A3)
A04: U15.J25(IO_L22N_T3_A04_D20_14) U17.D2(A4)
A05: U15.J24(IO_L22P_T3_A05_D21_14) U17.A2(A5)
A06: U15.H22(IO_L21N_T3_DQS_A06_D22_14) U17.C2(A6)
A07: U15.H24(IO_L20N_T3_A07_D23_14) U17.A3(A7)
A08: U15.H23(IO_L20P_T3_A08_D24_14) U17.B3(A8)
A09: U15.G21(IO_L19N_T3_A09_D25_VREF_14) U17.C3(A9)
A10: U15.H21(IO_L19P_T3_A10_D26_14) U17.D3(A10)
A11: U15.H26(IO_L18N_T2_A11_D27_14) U17.C4(A11)
A12: U15.J26(IO_L18P_T2_A12_D28_14) U17.A5(A12)
A13: U15.E26(IO_L17N_T2_A13_D29_14) U17.B5(A13)
A14: U15.F25(IO_L17P_T2_A14_D30_14) U17.C5(A14)
A15: U15.G26(IO_L16N_T2_A15_D31_14) U17.D7(A15)
A16: U15.K17(IO_L22N_T3_A16_15) U17.D8(A16)
A17: U15.K16(IO_L22P_T3_A17_15) U17.A7(A17)
A18: U15.L20(IO_L21N_T3_DQS_A18_15) U17.B7(A18)
A19: U15.J19(IO_L20N_T3_A19_15) U17.C7(A19)
A20: U15.J18(IO_L20P_T3_A20_15) U17.C8(A20)
A21: U15.J20(IO_L19N_T3_A21_VREF_15) U17.A8(A21)
A22: U15.K20(IO_L19P_T3_A22_15) U17.G1(A22)
A23: U15.G20(IO_L18N_T2_A23_15) U17.H8(A23)
A24: U15.H19(IO_L18P_T2_A24_15) U17.B6(A24)
A25: U15.E20(IO_L17N_T2_A25_15) U17.B8(A25)
ADC_TDIODE+: C794.1 U4.E2(TDIODE+) U60.7(D1+)
ADC_TDIODE-: C794.2 U4.F3(TDIODE-) U60.5(D-)
ADV_B: R161.2 U15.D20(IO_L15N_T2_DQS_ADV_B_15) U17.F6(ADV#)
BANK16_DDR3_CLK+: C787.2 R423.2 U15.E11(IO_L14P_T2_SRCC_16)
BANK16_DDR3_CLK-: C788.2 R423.1 U15.D11(IO_L14N_T2_SRCC_16)
BANK16_VREF_T0: R418.2 U15.H11(IO_L6N_T0_VREF_16)
BANK16_VREF_T3: R415.2 U15.C13(IO_L19N_T3_VREF_16)
BANK34_DDR3_CLK+: C789.2 R422.2 U15.AC4(IO_L14P_T2_SRCC_34)
BANK34_DDR3_CLK-: C790.2 R422.1 U15.AC3(IO_L14N_T2_SRCC_34)
BANK34_VREF_T0: R410.2 U15.W4(IO_L6N_T0_VREF_34)
BANK34_VREF_T3: R412.2 U15.AD3(IO_L19N_T3_VREF_34)
CAL: U4.D6(CAL) U15.AA13(IO_L16P_T2_33)
CALDLY: U4.V4(CALDLY) U15.AE11(IO_L19N_T3_VREF_33)
CALRUN: U4.B5(CALRUN) U15.AB12(IO_L15P_T2_DQS_33)
CCLK: U15.C8(CCLK_0) U17.E6(CLK)
CLK100_OUT+: J11.1(P) U34.51(DCLKOUT8)
CLK100_OUT-: J11.2(N) U34.52(DCLKOUT8*)
CLK+: C432.1 U4.U2(CLK+)
CLK-: C433.1 U4.V1(CLK-)
CLKIN_SEL0: R365.2 R366.2 U34.58(CLKIN_SEL0)
CLKIN_SEL1: R367.2 R368.2 U34.59(CLKIN_SEL1)
D00: U15.B24(IO_L1P_T0_D00_MOSI_14) U17.F2(DQ0)
D01: U15.A25(IO_L1N_T0_D01_DIN_14) U17.E2(DQ1)
D02: U15.B22(IO_L2P_T0_D02_14) U17.G3(DQ2)
D03: U15.A22(IO_L2N_T0_D03_14) U17.E4(DQ3)
D04: U15.A23(IO_L4P_T0_D04_14) U17.E5(DQ4)
D05: U15.A24(IO_L4N_T0_D05_14) U17.G5(DQ5)
D06: U15.D26(IO_L5P_T0_D06_14) U17.G6(DQ6)
D07: U15.C26(IO_L5N_T0_D07_14) U17.H7(DQ7)
D08: U15.C24(IO_L6N_T0_D08_VREF_14) U17.E1(DQ8)
D09: U15.D21(IO_L7P_T1_D09_14) U17.E3(DQ9)
D10: U15.C22(IO_L7N_T1_D10_14) U17.F3(DQ10)
D11: U15.B20(IO_L8P_T1_D11_14) U17.F4(DQ11)
D12: U15.A20(IO_L8N_T1_D12_14) U17.F5(DQ12)
D13: U15.E22(IO_L9N_T1_DQS_D13_14) U17.H5(DQ13)
D14: U15.C21(IO_L10P_T1_D14_14) U17.G7(DQ14)
D15: U15.B21(IO_L10N_T1_D15_14) U17.E7(DQ15)
DCLKI_N: U4.K20(DCLKI-) U15.AC16(IO_L12N_T1_MRCC_32)
DCLKI_P: U4.K19(DCLKI+) U15.AB16(IO_L12P_T1_MRCC_32)
DCLKOUT4+: C454.2 U34.24(DCLKOUT4)
DCLKOUT4-: C453.2 U34.25(DCLKOUT4*)
DCLKOUT6+: C432.2 R291.1 U34.27(DCLKOUT6)
DCLKOUT6-: C433.2 R292.2 U34.28(DCLKOUT6*)
DCLKQ_N: U4.L20(DCLKQ-) U15.AA24(IO_L12N_T1_MRCC_12)
DCLKQ_P: U4.L19(DCLKQ+) U15.Y23(IO_L12P_T1_MRCC_12)
DDR3_1_A0: R83.2 U10.K3(A0) U15.Y3(IO_L7P_T1_34)